# Altium PCB MiniMonitor_PCB.PcbDoc
Units mm, origin at the board's own origin, x right, y up, seen from the top; angles counter-clockwise.
Board outline 42 x 20 mm, 2 copper layers (Top Layer, Bottom Layer); 50 components, 35 nets, 184 pads, 140 vias.
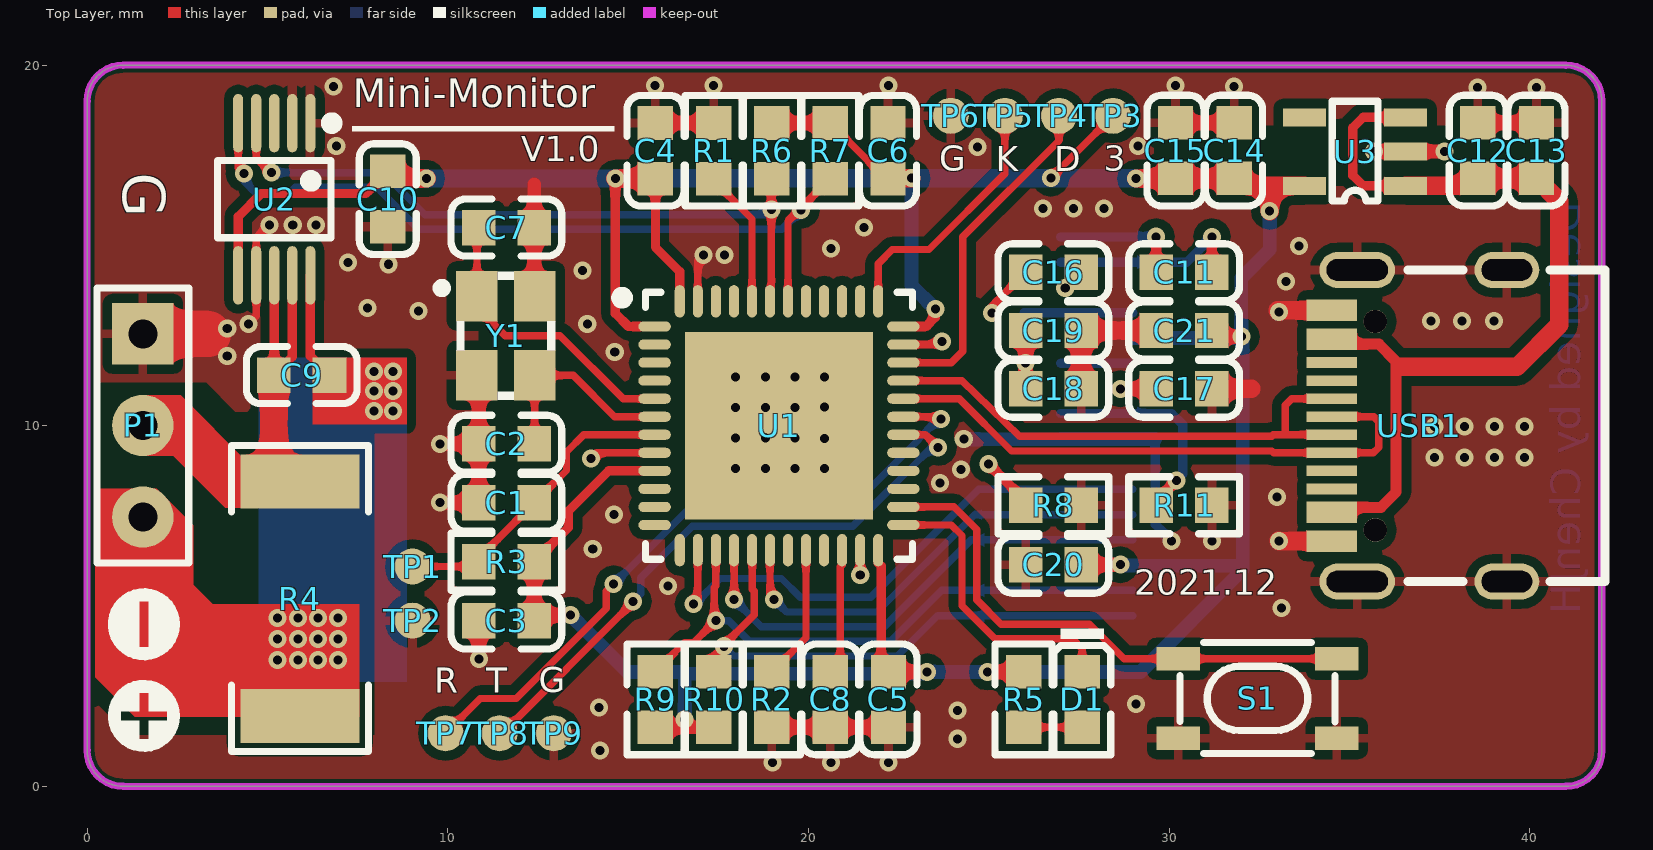
[diagram p0: Top Layer view]
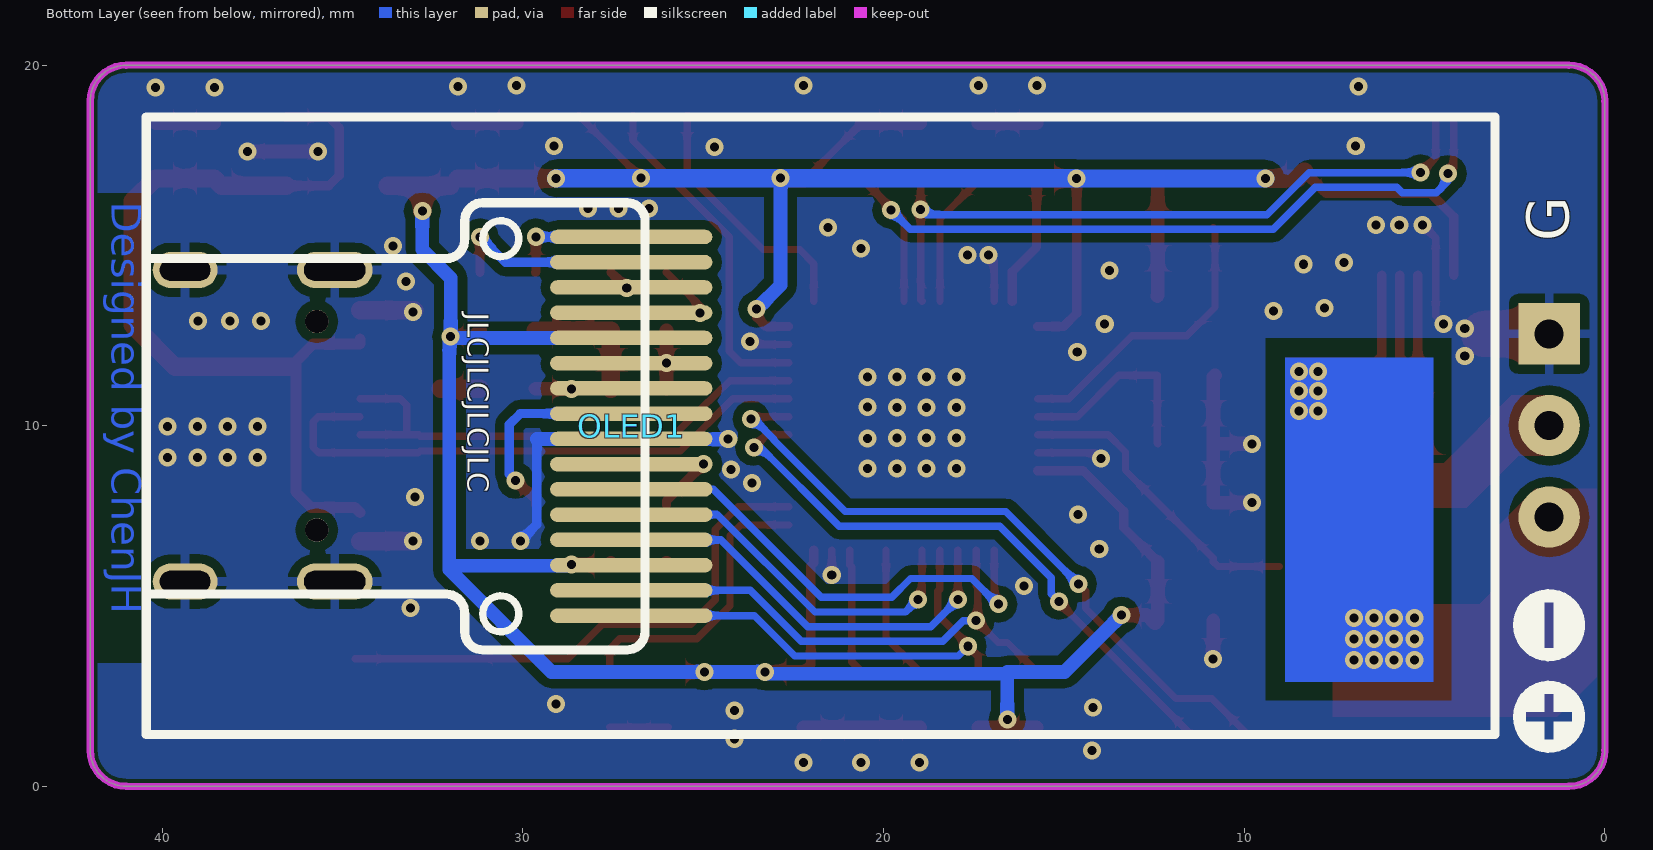
[diagram p1: Bottom Layer view, seen from below]
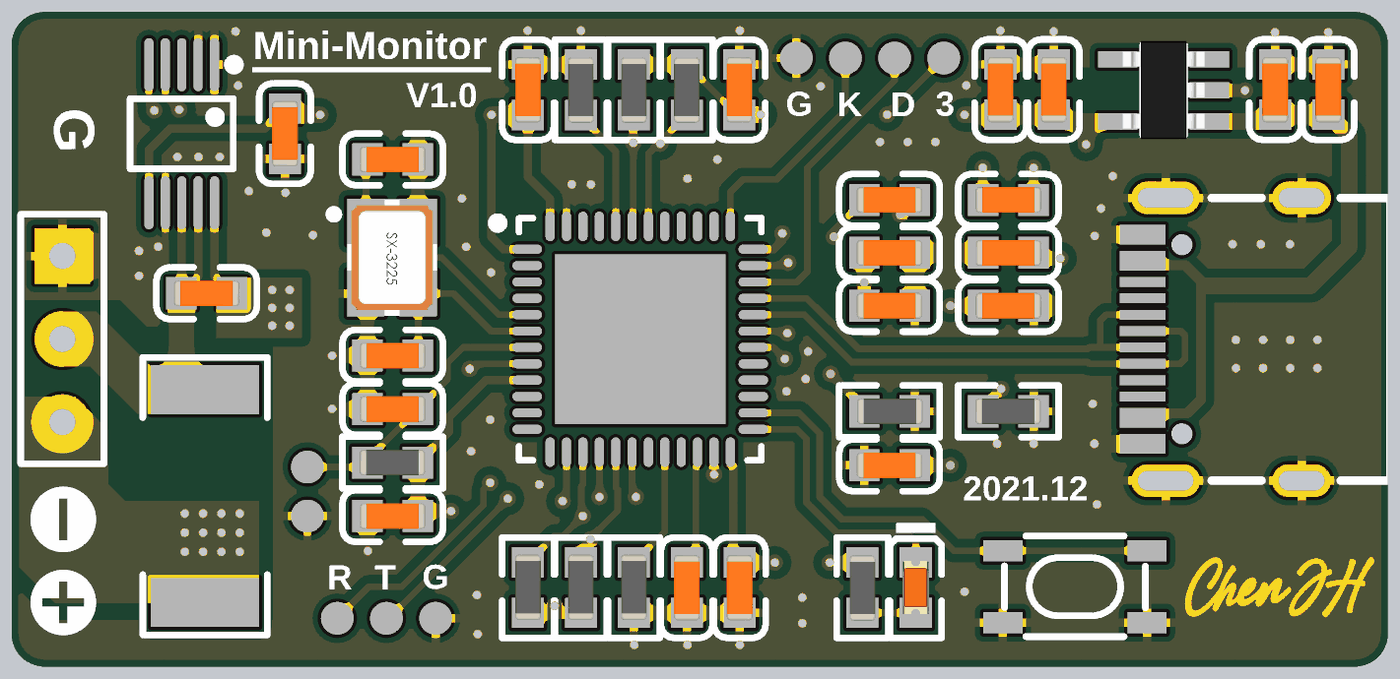
[diagram p2: 3D render of the assembled board from above, using the file's embedded part models]

## Layer stack, top to bottom
Top Solder: solder mask 0.0102, Solder Resist, Dk 3.5
Top Layer: signal copper 0.0356
Dielectric 1: dielectric 0.32, FR-4, Dk 4.8
Bottom Layer: signal copper 0.0356
Bottom Solder: solder mask 0.0102, Solder Resist, Dk 3.5

## Board outline
0,1 0,19 cw(c1,19) 1,20 41,20 cw(c41,19) 42,19 42,1 cw(c41,1) 41,0 1,0 cw(c1,1)

## Design rules (kind name [scope] priority, off if disabled: settings)
Clearance R4 [InComponent('R4') vs InPoly] p1: gap=0.381 ignorepadtopadclearanceinfootprint=FALSE
Clearance keeppout [OnLayer('Keep-Out Layer')] p2: gap=0.102 ignorepadtopadclearanceinfootprint=FALSE
Clearance poly [InPoly] p3: gap=0.254 ignorepadtopadclearanceinfootprint=FALSE
Clearance USB_1 [InComponent('USB1')] p4: gap=0.152 ignorepadtopadclearanceinfootprint=FALSE
Clearance [All] p5: gap=0.203 ignorepadtopadclearanceinfootprint=FALSE
HoleSize [All] p1: absolutevalues=TRUE maxlimit=5 minlimit=0.025 maxpercent=80.000 minpercent=20.000
PolygonConnect PolygonConnect_1 [isvia] p1: connectstyle=Direct reliefconductorwidth=0.254 reliefentries=4 polygonreliefangle="90 Angle" airgapwidth=0.254
PolygonConnect [InNet('GND')] p2: connectstyle=Relief reliefconductorwidth=0.254 reliefentries=4 polygonreliefangle="90 Angle" airgapwidth=0.254
RoutingVias [All] p1: holewidth=0.25 width=0.5 viastyle="Through Hole" minholewidth=0.25 minwidth=0.5 maxholewidth=0.5 maxwidth=1
SolderMaskExpansion [All] p1: expansion=0.102
Width [All] p1: maxlimit=2.54 minlimit=0.203 preferedwidth=0.203
29 further rules are at their usual default settings.

## Components (designator, comment, footprint, x,y, rotation, side; value= is the part's Value field where it differs from the comment)
C1 "0.1uF" LC-0603_C 11.628,7.866 r0 top
C2 "22pF" LC-0603_C 11.628,9.5 r0 top
C3 "0.1uF" LC-0603_C 11.628,4.597 r0 top
C4 "0.1uF" LC-0603_C 15.757,17.624 r270 top
C5 "0.1uF" LC-0603_C 22.22,2.41 r90 top
C6 "4.7uF" LC-0603_C 22.208,17.624 r270 top
C7 "22pF" LC-0603_C 11.628,15.494 r0 top
C8 "2.2uF" LC-0603_C 20.604,2.41 r270 top
C9 "0.1uF" LC-0603_C 5.952,11.405 r180 top
C10 "0.1uF" LC-0603_C 8.339,16.281 r90 top
C11 "1uF" LC-0603_C 30.42,14.258 r180 top
C12 "10uF" LC-0603_C 38.561,17.628 r270 top
C13 "0.1uF" LC-0603_C 40.186,17.628 r270 top
C14 "10uF" LC-0603_C 31.804,17.628 r270 top
C15 "0.1uF" LC-0603_C 30.179,17.628 r270 top
C16 "1uF" LC-0603_C 26.792,14.258 r0 top
C17 "4.7uF" LC-0603_C 30.42,11.024 r180 top
C18 "0.1uF" LC-0603_C 26.792,11.024 r180 top
C19 "4.7uF" LC-0603_C 26.792,12.641 r180 top
C20 "0.1uF" LC-0603_C 26.792,6.147 r0 top
C21 "4.7uF" LC-0603_C 30.42,12.641 r0 top
D1 "LED_RED" LC-0603_LED 27.592,2.41 r270 top
OLED1 "OLED-1.3'" OLED-1.3 26.996,4.735 r0 bottom locked
P1 "HDR-F-2.54_1x3" HDR1X3 1.547,12.548 r270 top locked
R1 "10K" LC-0603_R 17.373,17.624 r90 top
R2 "10K" LC-0603_R 18.988,2.41 r270 top
R3 "10K" LC-0603_R 11.628,6.231 r0 top
R4 "0.1R" R2512 5.901,5.207 r90 top locked
R5 "510R" LC-0603_R 25.967,2.41 r90 top
R6 "10K" LC-0603_R 18.988,17.624 r90 top
R7 "10K" LC-0603_R 20.604,17.624 r90 top
R8 "10K" LC-0603_R 26.792,7.798 r180 top
R9 "10K" LC-0603_R 15.757,2.41 r270 top
R10 "10K" LC-0603_R 17.373,2.41 r270 top
R11 "390K" LC-0603_R 30.42,7.798 r0 top
S1 "SW-PB-4.2*3.2" "SW  4.2*3.2" 32.452,2.438 r180 top
TP1 "TEST" TEST#1 9.025,6.096 r90 top
TP2 "TEST" TEST#2 15.248,-3.429 r90 top
TP3 "TEST" TEST#3 29.077,17.45 r270 top
TP4 "TEST" TEST#4 27.604,17.45 r270 top
TP5 "TEST" TEST#5 25.979,17.475 r270 top
TP6 "TEST" TEST#1 23.947,18.593 r270 top
TP7 "TEST" TEST#1 9.938,1.473 r90 top
TP8 "TEST" TEST#6 16.236,0.432 r90 top
TP9 "TEST" TEST#7 17.447,0.432 r90 top
U1 "STM32F401CCU6" UFQFPN-48 19.184,10 r0 top locked
U2 "INA226AIDGSR" MSOP10 5.19,16.281 r270 top
U3 "LDO" SOT23-5_S 35.157,17.602 r180 top
USB1 "TYPE-C" USB_TypeC2 37.005,10 r180 top locked
Y1 "CY3225" OSC_3225 11.61,12.497 r270 top

## Footprints (in the part's own frame and the unit in brackets; to place one, negate y for a bottom-side part, rotate by r counter-clockwise, add the part's x,y. Pads: shape width x height; smd on the part's side, far side on the other; paste and mask are expansions set on the pad)
HDR1X3 [mm] "Connector; Header; 3 Position"
  rect 1.7x1.7 hole 0.8: 1(0,0)
  round 1.7 hole 0.8: 2(2.54,0) 3(5.08,0)
  silkscreen extent -1.27,-1.27 6.35,1.27
LC-0603_C [mm]
  rect 0.93x0.98 smd: 1(-0.77,0) 2(0.77,0)
  silkscreen extent -1.53,-0.79 1.54,0.79, body extent -1,-0.39 1,0.39, height 0.76
LC-0603_LED [mm]
  rect 0.93x0.98 smd: A(0.77,0) K(-0.77,0)
  silkscreen extent -1.98,-0.79 1.53,0.79, body extent -0.81,-0.4 0.81,0.4, height 0.6
LC-0603_R [mm]
  rect 0.93x0.98 smd: 1(-0.77,0) 2(0.77,0)
  silkscreen extent -1.53,-0.79 1.54,0.79, body extent -1.01,-0.39 0.99,0.39, height 0.76
MSOP10 [mm]
  oval 1.62x0.28 smd: 1(-2.11,1) 2(-2.11,0.5) 3(-2.11,0) 4(-2.11,-0.5) 5(-2.11,-1) 6(2.11,-1) 7(2.11,-0.5) 8(2.11,0) 9(2.11,0.5) 10(2.11,1)
  silkscreen extent -2.26,-1.58 1.07,1.74
OLED-1.3 [mm]
  oval 4.5x0.4 smd: 1(0,-10.5) 2(0,-9.8) 3(0,-9.1) 4(0,-8.4) 5(0,-7.7) 6(0,-7) 7(0,-6.3) 8(0,-5.6) 9(0,-4.9) 10(0,-4.2) 11(0,-3.5) 12(0,-2.8) 13(0,-2.1) 14(0,-1.4) 15(0,-0.7) 16(0,0)
  silkscreen extent -23.95,-13.83 13.45,3.3
OSC_3225 [mm]
  rect 1.4x1.15 smd: 1(-1.1,-0.8) 2(1.1,-0.8) 3(1.1,0.8) 4(-1.1,0.8)
  silkscreen extent -1.78,-1.9 1.78,1.37, body extent -1.6,-1.25 1.6,1.25, height 0.81
R2512 [mm]
  rect 1.5x3.3 smd: 1(-3.25,0) 2(3.25,0)
  silkscreen extent -4.24,-1.9 4.24,1.9
SOT23-5_S [mm]
  rect 1.2x0.5 smd: 1(-1.4,0.95) 2(-1.4,0) 3(-1.4,-0.95) 4(1.4,-0.95) 5(1.4,0.95)
  silkscreen extent -0.64,-1.4 0.63,1.37, body extent -1.25,-1.51 1.25,1.49, height 1.08
"SW  4.2*3.2" [mm]
  rect 1.2x0.65 smd: 1(-2.2,1.1) 1(2.2,1.1) 2(-2.2,-1.1) 2(2.2,-1.1)
  silkscreen extent -2.15,-1.55 2.15,1.52
TEST#1 [mm]
  round 1 smd: 1(0,0)
TEST#2 [mm]
  round 1 smd: 1(8.025,6.223)
TEST#3 [mm]
  round 1 smd: 1(-1.143,-0.631)
TEST#4 [mm]
  round 1 smd: 1(-1.143,-0.658)
TEST#5 [mm]
  round 1 smd: 1(-1.118,-0.532)
TEST#6 [mm]
  round 1 smd: 1(1.041,4.798)
TEST#7 [mm]
  round 1 smd: 1(1.041,4.509)
UFQFPN-48 [mm]
  oval 0.9x0.28 smd: 1(-3.449,2.751) 2(-3.449,2.25) 3(-3.449,1.75) 4(-3.449,1.25) 5(-3.449,0.749) 6(-3.449,0.249) 7(-3.449,-0.249) 8(-3.449,-0.749) 9(-3.449,-1.25) 10(-3.449,-1.75) 11(-3.449,-2.25) 12(-3.449,-2.751) 25(3.449,-2.751) 26(3.449,-2.25) 27(3.449,-1.75) 28(3.449,-1.25) 29(3.449,-0.749) 30(3.449,-0.249) 31(3.449,0.249) 32(3.449,0.749) 33(3.449,1.25) 34(3.449,1.75) 35(3.449,2.25) 36(3.449,2.751)
  oval 0.28x0.9 smd: 13(-2.751,-3.449) 14(-2.25,-3.449) 15(-1.75,-3.449) 16(-1.25,-3.449) 17(-0.749,-3.449) 18(-0.249,-3.449) 19(0.249,-3.449) 20(0.749,-3.449) 21(1.25,-3.449) 22(1.75,-3.449) 23(2.251,-3.449) 24(2.751,-3.449) 37(2.751,3.449) 38(2.251,3.449) 39(1.75,3.449) 40(1.25,3.449) 41(0.749,3.449) 42(0.249,3.449) 43(-0.249,3.449) 44(-0.749,3.449) 45(-1.25,3.449) 46(-1.75,3.449) 47(-2.25,3.449) 48(-2.751,3.449)
  rect 5.2x5.2 smd: 49(0,0)
  silkscreen extent -4.5,-3.7 3.7,3.7
USB_TypeC2 [mm]
  oval 1.799x1 hole 0.6 slot 1.4 at 0 deg: 1(-2.362,4.32) 1(-2.362,-4.32)
  oval 2.099x1 hole 0.6 slot 1.7 at 0 deg: 1(1.787,4.32) 1(1.787,-4.32)
  rect 1.4x0.6 smd: A1B12(2.487,3.2) A4B9(2.487,2.4) B1A12(2.487,-3.2) B4A9(2.487,-2.4)
  rect 1.4x0.3 smd: A5(2.487,1.25) A6(2.487,0.25) A7(2.487,-0.25) A8(2.487,1.75) B5(2.487,-1.75) B6(2.487,-0.75) B7(2.487,0.75) B8(2.487,-1.25)
  round 0.65 hole 0.65 unplated: ""(1.288,2.89) ""(1.288,-2.89)
  silkscreen extent -5.08,-4.32 0.38,4.32

## Part data
C1 C2 C3 C4 C5 C6 C7 C8 C9 C10 C11 C12 C13 C14 C15 C16 C17 C18 C19 C20 C21: library part CAP
D1: "Typical INFRARED GaAs LED", LatestRevisionDate=08-Jul-2005, LatestRevisionNote="Mech Layer 1 removed.", PackageDescription="LED; 2 Leads", PackageReference=LED-0, Published=8-Jun-2000, Publisher="Altium Limited"
OLED1 U3: BOM_JLCPCB Part Class="Extended Part", BOM_Manufacturer="Shanghai Siproin Microelectronics", BOM_Manufacturer Part=SSP7603P33M5R, BOM_Supplier=LCSC, BOM_Supplier Part=C411031, Contributor=LCSC, spicePre=U, spiceSymbolName=SSP7603P33M5R
R1 R2 R3 R4 R5 R6 R7 R8 R9 R10 R11: library part R
S1: "Switch", LatestRevisionDate=17-Jul-2002, LatestRevisionNote="Re-released for DXP Platform.", PackageDescription="Switch; 2 Leads", PackageReference=SPST-2, Published=24-Mar-1999, Publisher="Altium Limited"
U1: BOM_JLCPCB Part Class="Extended Part", BOM_Manufacturer=ST, BOM_Manufacturer Part=STM32F401CCU6, BOM_Supplier=LCSC, BOM_Supplier Part=C79861, spicePre=U, spiceSymbolName=STM32F401CCU6, subpart_no=2, tags=STM32
U2: BOM_JLCPCB Part Class="Extended Part", BOM_Manufacturer=TI, BOM_Manufacturer Part=INA226AIDGSR, BOM_Supplier=LCSC, BOM_Supplier Part=C49851, spicePre=U, spiceSymbolName=INA226AIDGSR
P1: BOM_Supplier=LCSC, BOM_Supplier Part=C146690, Contributor=LCEDA_Lib, spicePre=H, spiceSymbolName=HDR-F-2.54_1x3

## Via types
v1: diameter 0.5, hole 0.25, Top Layer to Bottom Layer, tented both sides, 140 vias

## Nets (pads, with @x,y where several pads share a name; then routed paths per layer and width w, separated by ;. In a path a pad name is that pad's centre, name@x,y a point inside that pad or via, vN(x,y) a via of type N, cw(c..) or ccw(c..) an arc to the next point about the centre after c; other vN are vias at no path point)
3V3: C3.2 C4.2 C5.2 C6.2 C10.2 C14.2 C15.2 C20.2 C21.2 OLED1.5 OLED1.14 R3.2 R5.2 R6.2 R7.2 R9.2 R10.2 TP3.1 U1.1 U1.9 U1.24 U1.36 U1.48 U2.6 U3.5 | length 109.6
  Top Layer w0.203: R7.2 22.144,16.854 C6.2 ; v1(26.721,16.866) 26.721,16.867 TP3.1
  Top Layer w0.254: U2.6 4.19,15.797 4.83,16.438 7.726,16.438 C10.2 ; R3.2 13.343,7.177 13.343,7.628 14.465,8.75 U1.9 ; v1(14.646,16.858) 14.646,13.116 15.011,12.751 U1.1 ; C4.2 15.757,14.952 16.434,14.275 U1.48 ; U1.24 21.935,6.19 22.018,6.108 22.018,3.382 C5.2 ; U1.36 23.266,12.751 23.52,13.005 v1@23.52,13.211
  Top Layer w0.381: R3.2 C3.2 12.474,4.521 12.703,4.75 v1(13.408,4.75) ; R9.2 16.783,1.64 ; v1(16.569,1.854) 16.783,1.64 ; R10.2 16.783,1.64 ; R6.2 R7.2 ; C5.2 22.225,3.175 v1(23.292,3.175) ; v1(24.968,3.175) 25.962,3.175 R5.2 ; C20.2@27.562,6.198 27.613,6.147 v1(28.648,6.147) ; C21.2 31.359,12.471 v1(32.004,12.471) ; C14.2 C14.2@31.823,16.838
  Top Layer w0.508: C10.2 8.533,16.858 v1(9.414,16.858) ; v1(14.646,16.858) 15.754,16.858 C4.2 ; C6.2 22.219,16.866 v1(22.857,16.866) ; v1(29.082,16.858) C15.2 C14.2 ; C14.2@32.01,16.652 32.791,16.652 ; v1(32.791,15.951) 32.791,16.652 ; U3.5 32.791,16.652
  Bottom Layer w0.381: v1(13.408,4.75) 14.983,3.175 16.569,3.175 ; v1(16.569,1.854) 16.569,3.175 ; v1(22.857,16.866) 22.857,13.897 v1(23.52,13.233) ; v1(28.648,6.147) 28.674,6.121 32.029,6.121 ; OLED1.5@28.996,12.435 v1@32.04,12.435 ; v1(32.791,15.951) 32.791,14.884 32.004,14.097 v1(32.004,12.471) v1@32.04,12.435 ; 16.569,3.175 16.623,3.121 23.271,3.121 23.292,3.142 v1(23.292,3.175) v1(24.968,3.175) 29.21,3.175 32.04,6.005 v1@32.04,12.435
  Bottom Layer w0.508: v1(9.414,16.858) v1(14.646,16.858) 14.65,16.854 14.661,16.866 v1(22.857,16.866) v1(26.721,16.866) 29.067,16.866 29.078,16.854 v1(29.082,16.858)
BOOT0: R1.1 U1.44 | length 3.8
  Top Layer w0.203: R1.1 17.517,16.711 17.517,16.653 18.435,15.734 U1.44
BOOT1: R2.1 U1.20 | length 3.8
  Top Layer w0.203: R2.1 19.934,4.125 U1.20
GND: C1.1 C2.1 C3.1 C4.1 C5.1 C6.1 C7.2 C8.2 C10.1 C12.1 C13.1 C14.1 C15.1 C17.1 C18.1 C19.1 C20.1 C21.1 OLED1.9 P1.1 R1.2 R2.2 R8.1 R11.2 S1.1 TP2.1 TP6.1 TP9.1 U1.8 U1.23 U1.35 U1.47 U1.49 U2.1 U2.2 U2.7 U3.2 USB1.1 USB1.A1B12 USB1.B1A12 Y1.2 Y1.4 | length 46
  Top Layer w0.203: v1(4.47,12.827) 4.69,13.046 U2.7 4.69,15.205 v1(5.055,15.57) ; v1(13.978,9.093) 14.136,9.251 U1.8 ; U1.47 16.934,14.572 v1(17.094,14.732) ; U1.23 21.435,5.794 21.438,5.797 v1(21.438,5.867) ; U1.35 23.612,12.25 v1(23.698,12.336)
  Top Layer w0.381: v1(9.779,7.874) 9.779,7.866 C1.1 C2.1 ; v1(9.779,9.5) C2.1 ; Y1.2 10.858,11.349 C2.1 ; C3.1 10.858,3.531 v1(10.871,3.531) ; 12.398,16.688 C7.2 12.398,13.609 Y1.4 ; C4.1 R1.2 ; R2.2 C5.1 ; C15.1 C14.1 ; v1(35.678,17.602) U3.2 v1(37.643,17.602) ; C12.1 C13.1
  Top Layer w0.508: C18.1 C19.1 C21.1 ; C17.1 32.283,11.024 ; v1(33.045,6.807) 33.053,6.8 USB1.A1B12 ; v1(33.055,13.157) 33.012,13.2 USB1.B1A12
  Top Layer w1.27: P1.1 3.353,12.548
  Bottom Layer w0.254: 29.616,9.635 29.616,7.264 v1(30.074,6.807)
  Bottom Layer w0.381: v1(24.308,9.627) 26.988,9.627 OLED1.9 29.616,9.635
  other v1: 18.999,0.66 20.625,0.66 22.225,0.66 14.224,0.991 24.13,1.321 24.13,2.108 14.199,2.184 29.083,2.286 33.122,4.953 16.104,5.563 14.021,6.579 31.191,6.807 14.605,7.544 32.995,8.026 23.647,8.407 24.232,8.788 17.983,8.814 18.804,8.814 19.626,8.814 20.447,8.814 37.363,9.119 38.193,9.119 39.023,9.119 39.853,9.119 17.983,9.66 18.804,9.66 19.626,9.66 20.447,9.652 37.363,9.982 38.193,9.982 39.023,9.982 39.853,9.982 17.983,10.507 18.804,10.507 19.626,10.507 20.447,10.516 17.983,11.354 18.804,11.354 19.626,11.354 20.447,11.354 3.886,11.938 14.63,12.04 3.886,12.7 13.868,12.827 37.262,12.903 38.125,12.903 39.014,12.903 9.195,13.183 7.772,13.259 33.249,13.995 13.741,14.3 8.357,14.478 7.239,14.529 17.678,14.732 20.625,14.91 33.604,14.986 21.539,15.494 5.702,15.57 6.35,15.57 26.501,16.027 27.347,16.027 28.194,16.027 24.689,17.729 6.909,17.755 29.134,17.755 38.557,19.38 40.183,19.38 6.833,19.406 31.801,19.406 15.748,19.431 17.374,19.431 22.225,19.431 30.175,19.431
I2C1_SCL: R7.1 U1.42 U2.5 | length 21.9
  Top Layer w0.203: U2.5 4.19,17.154 v1(4.351,16.993) ; U1.42 19.433,15.677 20.604,16.848 R7.1
  Bottom Layer w0.203: v1(4.351,16.993) 4.351,16.781 4.67,16.463 5.62,16.463 5.768,16.612 8.036,16.612 9.2,15.447 19.265,15.447 v1(19.795,15.977)
I2C1_SDA: R6.1 U1.43 U2.4 | length 19.4
  Top Layer w0.203: U2.4 4.69,17.442 v1(5.113,17.018) ; U1.43 18.931,13.454 18.974,13.497 v1(18.974,16.002) 18.974,16.754 18.931,16.797 R6.1
  Bottom Layer w0.203: v1(5.113,17.018) 8.204,17.018 9.369,15.854 18.825,15.854 v1(18.974,16.002)
IN+: C9.1 P1.3 R4.1 U2.10 | length 3
  Top Layer w0.254: U2.10 6.19,11.937 C9.1
  other v1: 5.283,3.505 5.842,3.505 6.401,3.505 6.96,3.505 5.283,4.089 5.842,4.089 6.401,4.089 6.96,4.089 5.283,4.674 5.842,4.674 6.401,4.674 6.96,4.674 7.95,10.414 8.484,10.414 7.95,10.96 8.484,10.96 7.95,11.506 8.484,11.506
IN-: C9.2 P1.2 R4.2 U2.8 U2.9 | length 8.6
  Top Layer w0.254: C9.2 C9.2@5.19,11.413 ; U2.8 C9.2@5.19,11.413 ; U2.9 5.69,11.913 C9.2@5.19,11.413
  Top Layer w0.762: R4.2@5.182,8.534 C9.2
NetC8_1: C8.1 U1.22 | length 3.5
  Top Layer w0.203: C8.1 20.883,3.458 20.883,6.097 20.934,6.149 U1.22
NetC11_1: C11.1 OLED1.2 | length 5.5
  Top Layer w0.254: C11.1 v1(31.19,15.239)
  Bottom Layer w0.254: OLED1.2 30.486,14.535 v1(31.19,15.239)
NetC11_2: C11.2 OLED1.1 | length 3.6
  Top Layer w0.254: v1(29.639,15.24) 29.639,14.269 C11.2
  Bottom Layer w0.254: OLED1.1 29.634,15.235 v1(29.639,15.24)
NetC16_1: C16.1 OLED1.4 | length 4.6
  Top Layer w0.203: v1(25.095,13.132) 25.095,13.142 25.111,13.157 25.016,13.252 C16.1
  Bottom Layer w0.254: OLED1.4@25.975,13.132 OLED1.4@28.993,13.132
NetC16_2: C16.2 OLED1.3 | length 0.6
  Top Layer w0.254: v1(27.122,13.818) C16.2
NetC17_2: C17.2 OLED1.7 | length 1
  Top Layer w0.381: v1(28.651,11.024) C17.2
NetC18_2: C18.2 C19.2 OLED1.6 | length 3.6
  Top Layer w0.381: C18.2 v1(26.022,11.735) C19.2
  Bottom Layer w0.254: OLED1.6 OLED1.6@28.996,11.735
NetD1_A: D1.A R5.1 | length 1.6
  Top Layer w0.203: R5.1 D1.A
NetOLED1_8: OLED1.8 R11.1 | length 6
  Top Layer w0.254: R11.1 29.65,7.933 v1(30.201,8.484)
  Bottom Layer w0.254: OLED1.8 30.076,10.335 30.378,10.033 30.378,8.661 v1(30.201,8.484)
NetOLED1_10: OLED1.10 R8.2 | length 1.6
  Top Layer w0.254: v1(24.994,8.941) 26.022,7.912 R8.2
NRST: C1.2 R3.1 TP1.1 U1.7 | length 8.6
  Top Layer w0.203: TP1.1 10.722,6.096 R3.1 10.858,6.326 C1.2 13.292,8.76 13.292,9.271 13.772,9.751 U1.7
OSC_IN: C7.1 U1.5 Y1.1 | length 8.2
  Top Layer w0.203: C7.1 10.81,15.447 Y1.1 10.81,13.277 11.59,12.497 13.114,12.497 14.862,10.749 U1.5
OSC_OUT: C2.2 U1.6 Y1.3 | length 5.7
  Top Layer w0.203: C2.2 12.41,9.512 Y1.3 13.478,11.397 14.626,10.249 U1.6
PA6: OLED1.13 U1.16 | length 13.7
  Top Layer w0.203: U1.16 17.94,6.545 v1(17.94,5.182)
  Bottom Layer w0.203: v1(17.94,5.182) 18.693,4.429 22.108,4.429 24.513,6.835 OLED1.13 OLED1.13@28.996,6.835
PB0: OLED1.12 U1.18 | length 12.6
  Top Layer w0.203: U1.18 18.935,5.296 v1(19.05,5.182)
  Bottom Layer w0.203: v1(19.05,5.182) 19.396,4.836 21.904,4.836 24.604,7.535 OLED1.12 OLED1.12@28.996,7.535
PB12: D1.K U1.25 | length 8.2
  Top Layer w0.203: U1.25 23.965,7.249 24.257,6.957 24.257,5.006 25.174,4.089 27.313,4.089 27.592,3.81 D1.K
PB13: S1.2 U1.26 | length 14.9
  Top Layer w0.203: U1.26 24.039,7.75 24.663,7.125 24.663,5.174 25.342,4.496 27.796,4.496 28.753,3.538 30.252,3.538 S1.2@34.652,3.538
SPI1_CS: OLED1.11 U1.14 | length 15.5
  Top Layer w0.203: v1(16.815,5.055) 16.848,5.055 16.934,5.14 U1.14
  Bottom Layer w0.203: v1(16.815,5.055) 16.848,5.055 17.559,5.766 19.253,5.766 19.777,5.242 21.727,5.242 24.72,8.235 OLED1.11 OLED1.11@28.996,8.235
SPI1_MOSI: OLED1.16 R10.1 U1.17 | length 15.7
  Top Layer w0.203: R10.1 17.373,3.598 v1(17.661,3.886) ; v1@17.661,3.927 18.495,4.761 18.495,5.411 18.444,5.462 18.444,6.541 U1.17
  Bottom Layer w0.203: v1(17.661,3.886) 17.931,3.616 22.463,3.616 23.582,4.735 OLED1.16 OLED1.16@28.996,4.735
SPI1_SCK: OLED1.15 R9.1 U1.15 | length 16.7
  Top Layer w0.203: R9.1 16.565,3.988 16.823,3.988 v1(17.432,4.597) 17.386,4.644 17.386,5.512 17.434,5.561 U1.15
  Bottom Layer w0.203: v1@17.432,4.675 v1(17.432,4.597) 17.788,4.597 18.363,4.023 22.285,4.023 23.698,5.435 OLED1.15 OLED1.15@28.996,5.435
SWCLK: TP5.1 U1.37 | length 7.2
  Top Layer w0.203: U1.37 21.935,14.493 22.327,14.884 23.343,14.884 25.447,16.988 TP5.1
SWDIO: TP4.1 U1.34 | length 9.4
  Top Layer w0.203: U1.34 22.637,11.746 23.964,11.746 24.282,12.065 24.282,15.24 26.947,17.904 TP4.1
UART1_RX: TP7.1 U1.31 | length 18.7
  Top Layer w0.203: TP7.1 10.903,2.438 11.9,2.438 14.397,4.935 14.397,5.408 v1(14.602,5.613) ; U1.31 23.609,10.249 v1(23.673,10.185)
  Bottom Layer w0.203: v1(14.602,5.613) 16.609,7.62 21.059,7.62 23.042,9.602 23.042,9.628 23.599,10.185 v1(23.673,10.185)
UART1_TX: TP8.1 U1.30 | length 16.8
  Top Layer w0.203: TP8.1 11.51,1.473 15.138,5.102 v1(15.138,5.131) ; U1.30 23.244,9.751 v1(23.597,9.398)
  Bottom Layer w0.203: v1(15.138,5.131) 15.352,5.345 15.352,5.789 16.777,7.214 21.228,7.214 23.412,9.398 v1(23.597,9.398)
USB_DM: U1.32 USB1.A7 USB1.B7 | length 15.9
  Top Layer w0.203: U1.32@22.636,10.752 U1.32 24.185,10.749 25.634,9.301 32.847,9.301 32.897,9.25 USB1.B7 35.666,9.25 35.811,9.395 35.811,10.112 35.673,10.25 USB1.A7
USB_DP: U1.33 USB1.A6 USB1.B6 | length 14.7
  Top Layer w0.203: U1.33 24.26,11.25 25.853,9.707 32.847,9.707 32.893,9.754 34.514,9.754 USB1.A6 ; 33.22,9.756 33.22,10.566 33.404,10.75 USB1.B6
USB_VBUS: C12.2 C13.2 U3.1 U3.3 USB1.A4B9 USB1.B4A9 | length 25.2
  Top Layer w0.254: U3.1 35.383,16.652 35.093,16.942 35.093,18.263 35.383,18.552 U3.3
  Top Layer w0.305: USB1.A4B9 34.657,7.74 35.88,7.74 36.297,8.156 36.297,11.783 35.819,12.26 34.518,12.26 USB1.B4A9
  Top Layer w0.508: 36.395,11.633 39.649,11.633 40.818,12.802 40.818,16.226 C13.2 C12.2 38.355,16.652 U3.1
pads on no net: U1.2 U1.3 U1.4 U1.10 U1.11 U1.12 U1.13 U1.19 U1.21 U1.27 U1.28 U1.29 U1.38 U1.39 U1.40 U1.41 U1.45 U1.46 U2.3 U3.4 USB1. USB1.A5 USB1.A8 USB1.B5 USB1.B8

## Polygon pours and split planes (outlines as drawn)
GND on Top Layer "Top Layer" (solid, remove dead copper, pour order 4): 0,1 0,19 cw(c1,19) 1,20 41,20 cw(c41,19) 42,19 42,1 cw(c41,1) 41,0 1,0 cw(c1,1)
GND on Bottom Layer "Bottom Layer" (solid, remove dead copper, pour order 6): 0,1 0,19 cw(c1,19) 1,20 41,20 cw(c41,19) 42,19 42,1 cw(c41,1) 41,0 1,0 cw(c1,1)

## Keep-outs
Keep-Out Layer:
  the board outline again, w0.203

## Other copper
Top Layer:
  rectangle net IN+: 6.248,10.033 8.865,11.887
  pour cut-out: 30.245,16.652 30.245,18.313 40.234,18.313 40.234,16.652
  pour cut-out: 10.858,15.799 12.46,15.799 12.46,4.369 10.858,4.369
  region net IN+: 1.93,8.255 2.946,7.239 2.946,5.588 3.48,5.055 7.544,5.055 7.544,1.93 1.321,1.93 0.229,3.023 0.229,8.255
  pour cut-out: 0.113,11.201 3.302,11.201 4.115,10.389 4.806,10.389 4.806,11.138 7.976,11.138 7.976,1.422 1.143,1.422 0.113,2.453
  region net IN-: 2.591,10.846 4.47,8.966 7.188,8.966 7.188,7.722 3.835,7.722 2.388,9.169 1.473,9.169 1,9.643 1,10.347 1.499,10.846
Bottom Layer:
  rectangle net IN+: 4.75,2.896 8.865,11.887
  pour cut-out: 4.267,12.421 9.398,12.421 9.398,2.388 4.267,2.388
  text "Designed by ChenJH" at 41.681,16.205 h1.4 r90

## Silkscreen, mask and mechanical layers (free items; w line width, h text height)
Top Overlay:
  circle w0.203: c1.575,1.956 r0.9
  circle w0.203: c1.575,4.496 r0.9
  rectangle: 7.341,18.161 14.63,18.313
  region: 2.108,1.321 1.041,1.321 1.041,1.143 2.108,1.143
  region: 2.21,1.829 1.702,1.829 1.702,1.245 2.21,1.245
  region: 2.21,2.591 1.702,2.591 1.702,2.083 2.21,2.083
  region: 2.388,2.362 2.286,2.362 2.286,1.473 2.388,1.473
  region: 2.286,2.591 2.21,2.591 2.21,1.473 2.286,1.473
  region: 2.21,2.692 0.965,2.692 0.965,2.591 2.21,2.591
  region: 1.981,2.819 1.143,2.819 1.143,2.692 1.981,2.692
  region: 1.448,2.616 0.889,2.616 0.889,2.083 1.448,2.083
  region: 1.448,1.829 0.864,1.829 0.864,1.295 1.448,1.295
  region: 0.94,2.438 0.762,2.438 0.762,1.473 0.94,1.473
  region: 0.94,4.978 0.762,4.978 0.762,4.013 0.94,4.013
  region: 1.448,4.877 0.864,4.877 0.864,3.835 1.448,3.835
  region: 1.448,5.156 0.889,5.156 0.889,4.623 1.448,4.623
  region: 1.981,5.359 1.143,5.359 1.143,5.232 1.981,5.232
  region: 2.21,5.232 0.965,5.232 0.965,5.131 2.21,5.131
  region: 2.286,5.131 2.21,5.131 2.21,4.013 2.286,4.013
  region: 2.388,4.902 2.286,4.902 2.286,4.013 2.388,4.013
  region: 2.21,5.131 1.702,5.131 1.702,4.623 2.21,4.623
  region: 2.21,4.826 1.702,4.826 1.702,3.785 2.21,3.785
  region: 2.108,3.861 1.041,3.861 1.041,3.683 2.108,3.683
  text "Mini-Monitor" at 7.366,18.567 h1.35
  text "V1.0" at 12.04,17.094 h1.2
  text "G" at 0.61,17.018 h2 r270
  text "G" at 23.622,16.829 h1.2
  text "3" at 28.194,16.829 h1.2
  text "K" at 25.197,16.815 h1.2
  text "D" at 26.822,16.815 h1.2
  text "2021.12" at 29.032,5.08 h1.2
  text "G" at 12.522,2.377 h1.2
  text "R" at 9.627,2.362 h1.2
  text "T" at 11.074,2.362 h1.2
Bottom Overlay:
  circle w0.203: c1.549,4.47 r0.9
  circle w0.203: c1.549,1.93 r0.9
  rectangle: 1.016,3.658 2.083,3.835
  rectangle: 0.914,3.759 1.422,4.801
  rectangle: 0.914,4.597 1.422,5.105
  rectangle: 0.737,3.988 0.838,4.877
  rectangle: 0.838,3.988 0.914,5.105
  rectangle: 0.914,5.105 2.159,5.207
  rectangle: 1.143,5.207 1.981,5.334
  rectangle: 1.676,4.597 2.235,5.131
  rectangle: 1.676,3.81 2.261,4.851
  rectangle: 2.184,3.988 2.362,4.953
  rectangle: 2.184,1.448 2.362,2.413
  rectangle: 1.676,1.27 2.261,1.803
  rectangle: 1.676,2.057 2.235,2.591
  rectangle: 1.143,2.667 1.981,2.794
  rectangle: 0.914,2.565 2.159,2.667
  rectangle: 0.838,1.448 0.914,2.565
  rectangle: 0.737,1.448 0.838,2.337
  rectangle: 0.914,2.057 1.422,2.565
  rectangle: 0.914,1.219 1.422,1.803
  rectangle: 1.016,1.118 2.083,1.295
  text "G" at 0.61,15.113 h2 r270
  text "JLCJLCJLCJLC" at 31.725,13.132 h1 r90
Top Solder:
  drawing of 1771 lines, arcs and shapes, not listed